# Altium PCB sanziqi.PcbDoc (part 1 of 2)
Units mil, origin at the board's own origin, x right, y up, seen from the top; angles counter-clockwise.
Board outline 5221.3 x 3930 mil, 2 copper layers (Top Layer, Bottom Layer); 136 components, 168 nets, 517 pads, 898 vias.
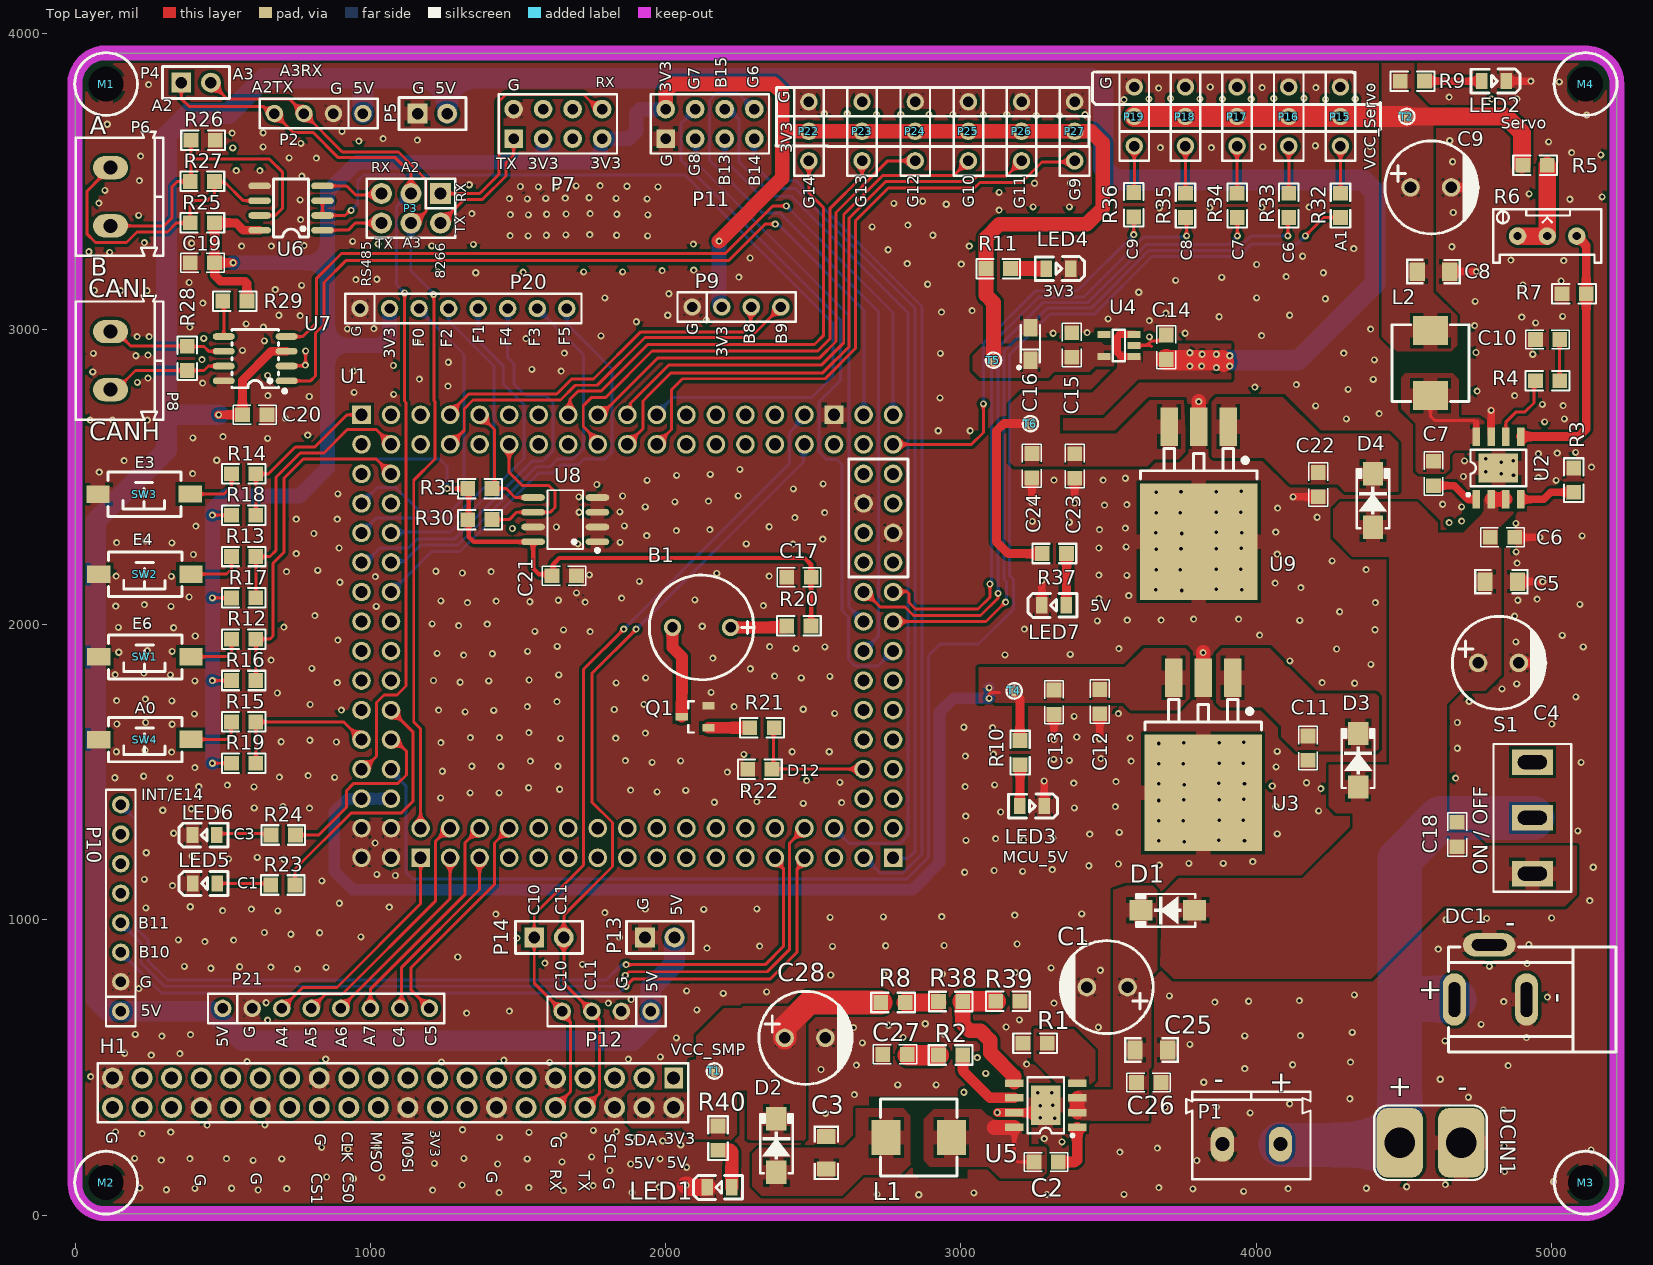
[diagram p0: Top Layer view]
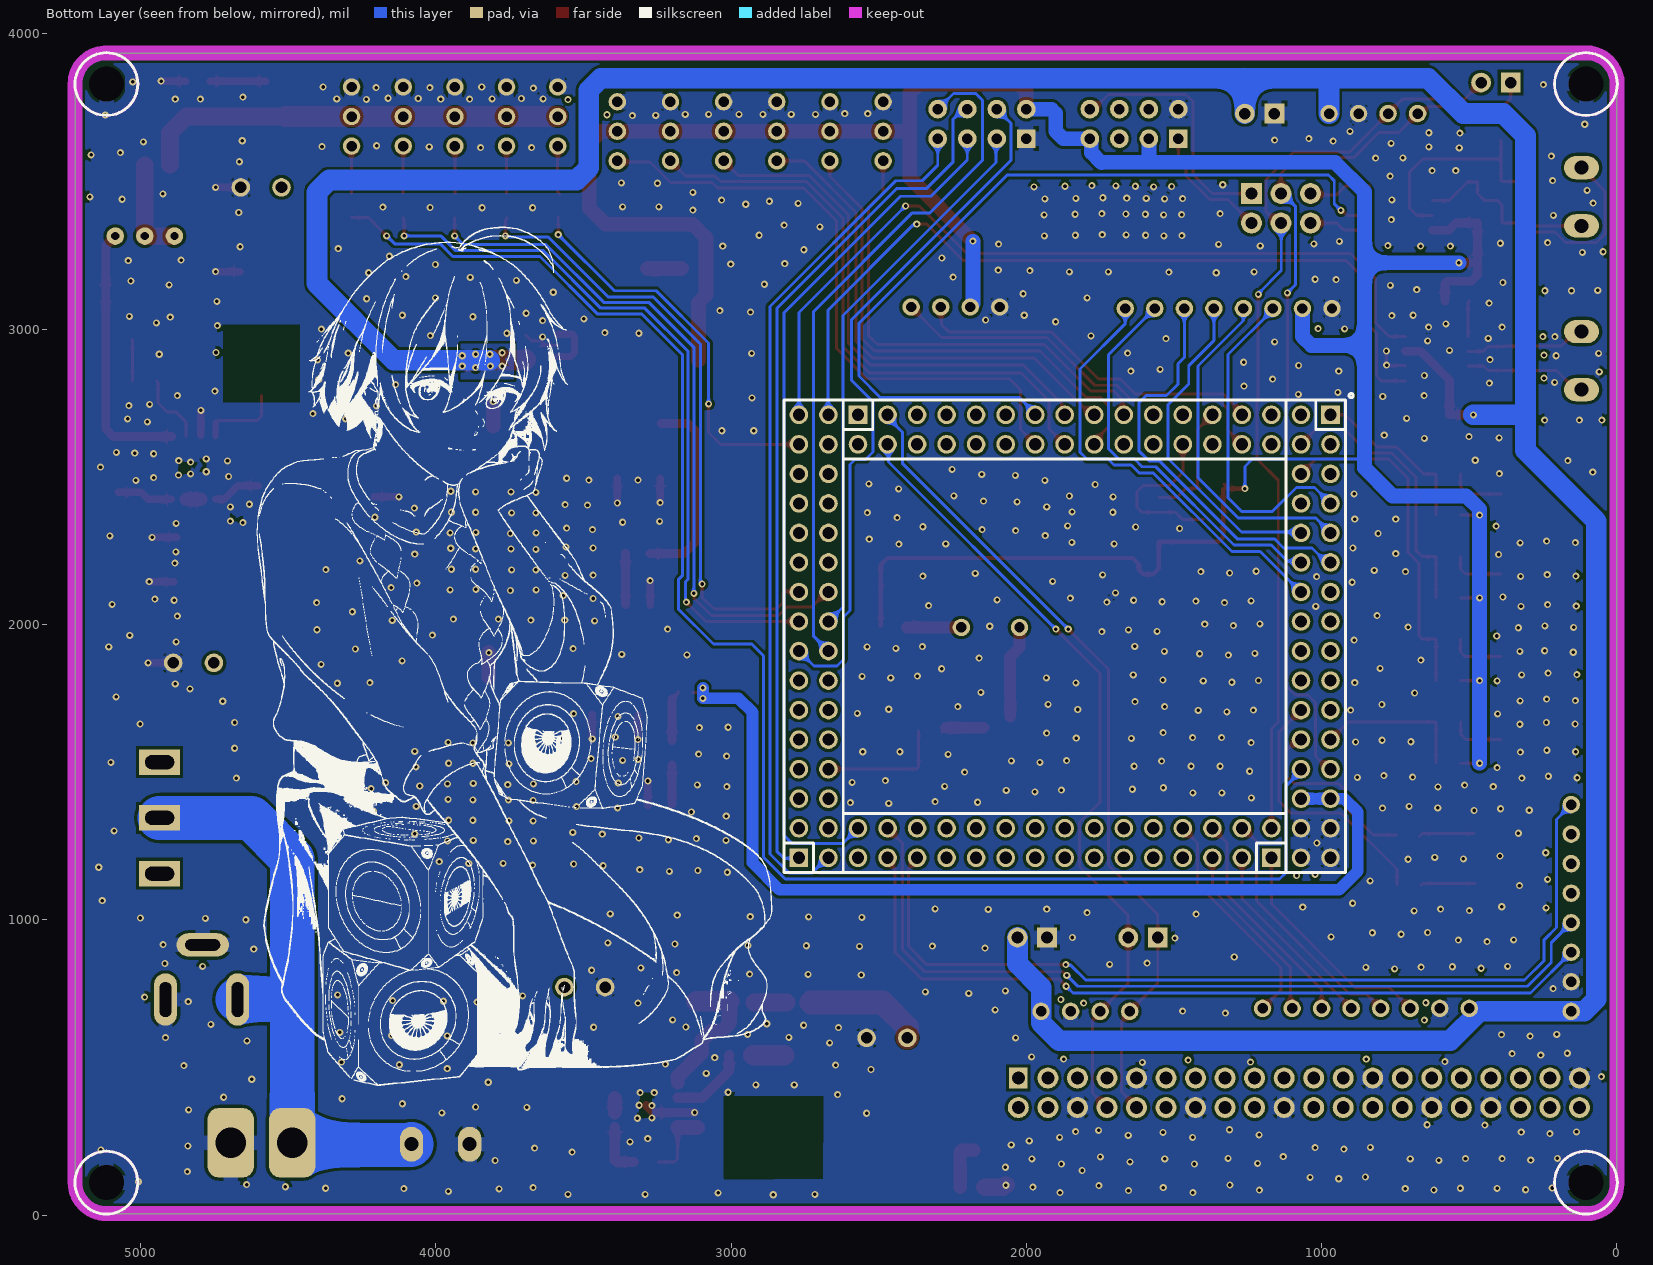
[diagram p1: Bottom Layer view, seen from below]

## Layer stack, top to bottom
Top Solder: solder mask 0.4, Solder Resist, Dk 3.5
Top Layer: signal copper 1.4
Dielectric 1: dielectric 12.6, FR-4, Dk 4.8
Bottom Layer: signal copper 1.4
Bottom Solder: solder mask 0.4, Solder Resist, Dk 3.5

## Board outline
0,105 0,3830 cw(c105,3830) 105,3935 5115,3935 cw(c5115.65,3829.35) 5221.3,3830 5221.3,110 cw(c5115.65,110.65) 5115,5 105,5 cw(c102.5,107.5)

## Design rules (kind name [scope] priority, off if disabled: settings)
Clearance [All] p1: gap=8 ignorepadtopadclearanceinfootprint=TRUE except(0: Arc-Hole Track-Hole SMDPad-Hole THPad-Hole Via-Hole Fill-Hole Poly-Hole Region-Hole Text-Hole; 10: Arc-Fill Arc-Poly Arc-Region Track-Fill Track-Poly Track-Region SMDPad-Fill SMDPad-Poly SMDPad-Region THPad-Fill THPad-Poly THPad-Region Via-Fill Via-Poly Via-Region Fill-Fill Fill-Poly Fill-Region Poly-Poly Poly-Region Region-Region)
HoleSize [All] p1: absolutevalues=TRUE maxlimit=300 minlimit=1 maxpercent=80.000 minpercent=20.000
PlaneConnect [All] p1: planeconnectstyle=Direct reliefexpansion=20 reliefentries=4 reliefconductorwidth=50 reliefairgap=10
PolygonConnect [All] p1: connectstyle=Relief reliefconductorwidth=50 reliefentries=4 polygonreliefangle="90 Angle" airgapwidth=10
RoutingVias [All] p1: holewidth=12 width=24 viastyle="Through Hole" minholewidth=12 minwidth=24 maxholewidth=12 maxwidth=24
SolderMaskExpansion [All] p1: expansion=4 istentingtop=FALSE
Width PWR [InNetClass('PWR')] p1: maxlimit=150 minlimit=25 preferedwidth=30
Width 3V3 [InNetClass('3V3')] p2: maxlimit=120 minlimit=20 preferedwidth=20
Width [All] p3: maxlimit=120 minlimit=10 preferedwidth=10
28 further rules are at their usual default settings.

## Components (designator, comment, footprint, x,y, rotation, side; value= is the part's Value field where it differs from the comment)
B1 "BEEP" "BEEP 9x5.5mm" 2121.57,1990 r180 top
C1 "220uF 25V 铝电解" CAP-TH_BD8.0-P3.50-D0.6-FD 3495.1,772 r180 top value=220uF
C2 "100nF 50V X7R" C0805 3335.7,179.9 r180 top value=100nF
C3 "47uF 10V X5R" CAPC3216[1206]S 2544,211 r270 top value=47uF
C4 "220uF 25V 铝电解" CAP-TH_BD8.0-P3.50-D0.6-FD 4820,1870 r0 top value=220uF
C5 "4.7uF 25V X5R" CAPC3216[1206]S 4830,2145 r180 top value=4.7uF
C6 "100nF 50V X7R" C0805 4881,2295 r180 top value=100nF
C7 "100nF 50V X7R" C0805 4600,2464 r90 top value=100nF
C8 "47uF 10V X5R" CAPC3216[1206]S 4600,3195 r180 top value=47uF
C9 "220uF 25V 铝电解" CAP-TH_BD8.0-P3.50-D0.6-FD 4591.1,3480 r0 top value=220uF
C10 "4.7nF 50V X7R" C0805 4939,2965 r0 top value=4.7nF
C11 "0.22uF" C0805 4175,1534 r90 top
C12 "0.1uF" C0805 3469.9,1691.3 r90 top
C13 "10uF" C0805 3315,1689 r90 top
C14 "100nF 50V X7R" C0805 3694.9,2891.3 r90 top value=100nF
C15 "100nF 50V X7R" C0805 3375,2899 r90 top value=100nF
C16 "T-S 10uF 3216 16V" "CAP-T-S 3216" 3235,2950 r90 top value=10uF
C17 "1uF" C0805 2404,2160 r0 top
C18 "0.1uF" C0805 4680,1336 r270 top
C19 "100nF 50V X7R" C0805 478.7,3224.9 r180 top value=100nF
C20 "100nF 50V X7R" C0805 561,2710 r0 top value=100nF
C21 "100nF 50V X7R" C0805 1703.7,2164.9 r180 top value=100nF
C22 "0.22uF" C0805 4209.9,2426.3 r90 top
C23 "0.1uF" C0805 3385,2489 r90 top
C24 "10uF" C0805 3240,2490 r90 top
C25 "4.7uF 25V X5R" CAPC3216[1206]S 3645,559 r180 top value=4.7uF
C26 "100nF 50V X7R" C0805 3683,449 r180 top value=100nF
C27 "4.7nF 50V X7R" C0805 2729.3,544.04 r0 top value=4.7nF
C28 "220uF 25V 铝电解" CAP-TH_BD8.0-P3.50-D0.6-FD 2472,600 r0 top value=220uF
D1 "SS54" SMA-L[DO-214AC] 3700,1032 r180 top
D2 "SS54" SMA-L[DO-214AC] 2375,235.55 r90 top
D3 "SS54" SMA-L[DO-214AC] 4345,1540 r90 top
D4 "SS54" SMA-L[DO-214AC] 4395,2419.45 r90 top
DC1 "HC-DC-005-2.5M" DC-005 4915,730 r0 top
DCIN1 "T型插头" "Wired T-Header ThroughHole" 4590,245 r90 top
H1 "2.54mm 2*20P直排针" HDR-TH_40P-P2.54-V-M-R2-C20-S2.54 1077,414 r180 top
L1 "4.7uH 5A" "0630 TPC 7*7*3" 2857,263 r180 top value=4.7uH
L2 "4.7uH 5A" "0630 TPC 7*7*3" 4590,2885 r90 top value=4.7uH
LED1 "NCD0805R1" LED0805-R-RD 2182,94 r0 top
LED2 "NCD0805R1" LED0805-R-RD 4805,3840 r180 top
LED3 "NCD0805R1" LED0805-R-RD 3240,1385 r180 top
LED4 "NCD0805R1" LED0805-R-RD 3330,3205 r180 top
LED5 "NCD0805R1" LED0805-R-RD 440,1123 r0 top
LED6 "NCD0805R1" LED0805-R-RD 439,1287 r0 top
LED7 "NCD0805R1" LED0805-R-RD 3315,2065 r0 top
M1 "MountHole" M3-MountHole 105,3830 r0 top
M2 "MountHole" M3-MountHole 105,110 r0 top
M3 "MountHole" M3-MountHole 5115,110 r0 top
M4 "MountHole" M3-MountHole 5115,3830 r0 top
P1 "KF/WJ/DG 30x connecter" "KF/WJ/DG 301-2p-5.0mm" 3983.43,240 r0 top
P2 "Header-D-M 1x4P" HDR1X4-M 975,3730 r180 top
P3 "Header-D-M 2x3P" "2.54mm 2*3p 直插" 1140,3410 r180 top
P4 "PM254-1-02-Z-8.5" HDR-TH_2P-P2.54-V-F 410,3835 r0 top
P5 "PM254-1-02-Z-8.5" HDR-TH_2P-P2.54-V-F 1210,3730 r0 top
P6 "KF/WJ/DG 30x connecter" "KF/WJ/DG 301-2p-5.0mm" 120,3448.43 r270 top
P7 "Header-S-F 2x4P" HDR2.54-LI-2x4P 1635,3695 r0 top
P8 "KF/WJ/DG 30x connecter" "KF/WJ/DG 301-2p-5.0mm" 120,2893.43 r270 top
P9 "Header-D-M 1x4P" HDR1X4-M 2090,3075 r0 top
P10 "Header-D-M 1x8P" HDR1X8-M 155,690 r90 top
P11 "Header-S-F 2x4P" HDR2.54-LI-2x4P 2150,3695 r0 top
P12 "Header-D-M 1x4P" HDR1X4-M 1950,690 r180 top
P13 "PM254-1-02-Z-8.5" HDR-TH_2P-P2.54-V-F 1980,940 r0 top
P14 "PM254-1-02-Z-8.5" HDR-TH_2P-P2.54-V-F 1605,940 r0 top
P15 "Header-D-M 1x3P" HDR1X3-M 4285,3620 r90 top
P16 "Header-D-M 1x3P" HDR1X3-M 4110,3620 r90 top
P17 "Header-D-M 1x3P" HDR1X3-M 3935,3620 r90 top
P18 "Header-D-M 1x3P" HDR1X3-M 3760,3620 r90 top
P19 "Header-D-M 1x3P" HDR1X3-M 3586.81,3620 r90 top
P20 "Header-D-M 1x8P" HDR1X8-M 965,3070 r0 top
P21 "Header-D-M 1x8P" HDR1X8-M 500,700 r0 top
P22 "Header-D-M 1x3P" HDR1X3-M 2485,3570 r90 top
P23 "Header-D-M 1x3P" HDR1X3-M 2665,3570 r90 top
P24 "Header-D-M 1x3P" HDR1X3-M 2845,3570 r90 top
P25 "Header-D-M 1x3P" HDR1X3-M 3025,3570 r90 top
P26 "Header-D-M 1x3P" HDR1X3-M 3205,3570 r90 top
P27 "Header-D-M 1x3P" HDR1X3-M 3385,3570 r90 top
Q1 "S8050" SOT-23 2099.72,1687.4 r180 top
R1 "200K ±1%" R0805 3210,582 r0 top value=200K
R2 "20K ±1%" R0805 3006,542 r180 top value=20K
R3 "200K ±1%" R0805 5075,2530 r270 top value=200K
R4 "20K ±1%" R0805 4945,2825 r0 top value=20K
R5 "27K ±1%" R0805 4985,3555 r180 top value=27K
R6 "50K" RESPOT3296W 4985,3315 r0 top
R7 "8.2K ±1%" R0805 5035,3120 r0 top value=8.2K
R8 "51K ±1%" R0805 2811,720 r180 top value=51K
R9 "10K ±1%" R0805 4570,3840 r180 top value=10K
R10 "10K ±1%" R0805 3200,1525 r90 top value=10K
R11 "4.7K ±1%" R0805 3167.3,3205.2 r180 top value=4.7K
R12 "100R ±1%" R0805 612.3,1950.2 r180 top value=100R
R13 "100R ±1%" R0805 612.3,2230 r180 top value=100R
R14 "100R ±1%" R0805 612.3,2510.2 r180 top value=100R
R15 "100R ±1%" R0805 612.3,1670 r180 top value=100R
R16 "10K ±1%" R0805 612.3,1810.2 r180 top value=10K
R17 "10K ±1%" R0805 612.3,2090.2 r180 top value=10K
R18 "10K ±1%" R0805 612.3,2370 r180 top value=10K
R19 "10K ±1%" R0805 612.3,1530.2 r180 top value=10K
R20 "10R ±1%" R0805 2492.3,1995.2 r180 top value=10R
R21 "4.7K ±1%" R0805 2367.3,1650.2 r180 top value=4.7K
R22 "10K ±1%" R0805 2360,1510 r180 top value=10K
R23 "4.7K ±1%" R0805 662.7,1117.8 r0 top value=4.7K
R24 "4.7K ±1%" R0805 664,1287 r0 top value=4.7K
R25 "360R ±1%" R0805 472.3,3360.2 r180 top value=360R
R26 "360R ±1%" R0805 392.7,3639.8 r0 top value=360R
R27 "120R ±1%" R0805 472.3,3500.2 r180 top value=120R
R28 "120R ±1%" R0805 379.8,2942.3 r270 top value=120R
R29 "510R ±1%" R0805 500,3095 r0 top value=510R
R30 "4.7K ±1%" R0805 1412.3,2355.2 r180 top value=4.7K
R31 "4.7K ±1%" R0805 1412.3,2460.2 r180 top value=4.7K
R32 "100R ±1%" R0805 4285.2,3377.7 r90 top value=100R
R33 "100R ±1%" R0805 4110.2,3377.7 r90 top value=100R
R34 "100R ±1%" R0805 3935.2,3377.7 r90 top value=100R
R35 "100R ±1%" R0805 3760.2,3377.7 r90 top value=100R
R36 "100R ±1%" R0805 3585,3380 r90 top value=100R
R37 "10K ±1%" R0805 3357.3,2240.2 r180 top value=10K
R38 "1.5K ±1%" R0805 3006.3,723.2 r180 top value=1.5K
R39 "10K ±1%" R0805 3200,724 r180 top value=10K
R40 "10K ±1%" R0805 2177.2,219.7 r90 top value=10K
S1 "SW-SPDT" SS12D10 4935,1345 r270 top
SW1 "SW-PB_V" "TSW SMD-3*6*2.5" 235,1890 r180 top
SW2 "SW-PB_V" "TSW SMD-3*6*2.5" 235,2170 r180 top
SW3 "SW-PB_V" "TSW SMD-3*6*2.5" 233,2441 r180 top
SW4 "SW-PB_V" "TSW SMD-3*6*2.5" 235,1610 r180 top
T1 "Testpoint-Pad" testpoint-pad-1mm 2165,488 r90 top
T2 "Testpoint-Pad" testpoint-pad-1mm 4510,3720 r270 top
T4 "Testpoint-Pad" testpoint-pad-1mm 3180,1775 r90 top
T5 "Testpoint-Pad" testpoint-pad-1mm 3110,2895 r90 top
T6 "Testpoint-Pad" testpoint-pad-1mm 3235,2680 r90 top
U1 "stm32f103zet6核心板" stm32f103zet6核心板 895,1135 r0 top locked
U2 "SCT2450STER" SOP-8E 4820,2530 r90 top
U3 "LM7805S/TR" TO-263-3_L8.6-W10.2-P2.54-LS14.4-BR 3820,1624.96 r90 top
U4 "RT9013-33" SOT-23-5 3535,2945 r180 top
U5 "SCT2450STER" SOP-8E 3287,372 r180 top
U6 "TP8485E-SR" SOIC-8_L5.0-W4.0-P1.27-LS6.0-BL 731.5,3410 r90 top
U7 "SIT1050T" SO-8_L4.9-W3.9-P1.27-LS5.9-BL 610,2900 r90 top
U8 "AT24C02" SOP-8_L5.0-W4.0-P1.27-LS6.0-BL 1660,2355 r90 top
U9 "LM7805S/TR" TO-263-3_L8.6-W10.2-P2.54-LS14.4-BR 3805,2474.96 r90 top

## Footprints (in the part's own frame and the unit in brackets; to place one, negate y for a bottom-side part, rotate by r counter-clockwise, add the part's x,y. Pads: shape width x height; smd on the part's side, far side on the other; paste and mask are expansions set on the pad)
"2.54mm 2*3p 直插" [mm]
  rect 1.8x1.8 hole 1.05 paste+0 mask+0.051: 1(-2.48,-1.25)
  round 1.8 hole 1.05 paste+0 mask+0.051: 2(-2.48,1.29) 3(0.06,-1.25) 4(0.06,1.29) 5(2.6,-1.25) 6(2.6,1.29)
  silkscreen extent -3.75,-2.52 3.87,2.56
"0630 TPC 7*7*3" [mm]
  rect 2.5x3 smd: 1(-2.8,0) 2(2.8,0)
  silkscreen extent -3.3,-3.3 3.3,3.3, body extent -3.3,-3.3 3.3,3.3, height 3
"BEEP 9x5.5mm" [mm]
  round 1.5 hole 0.9: 1(-2.5,0) 2(2.5,0)
  silkscreen extent -4.5,-4.5 4.5,4.5, body extent -4.8,-4.8 4.8,4.8, height 5.05
C0805 [mil]
  rect 50x50 smd: 1(6,0) 2(88.7,-0.1)
  silkscreen extent -26,-32 121,32, body extent 8,-24 87,25, height 30
"CAP-T-S 3216" [mm]
  rect 1.5x1.2 smd: 1(-1.4,0) 2(1.4,0)
  silkscreen extent -2.15,-0.9 1.6,1.1, body extent -1.6,-0.8 1.6,0.8, height 1.6
CAP-TH_BD8.0-P3.50-D0.6-FD [mm]
  round 1.6 hole 1: 1(-1.75,0) 2(1.75,0)
  silkscreen extent -3.96,-4 4.04,4
CAPC3216[1206]S [mm]
  rect 1.3x1.6 smd: 1(-1.4,0) 2(1.4,0)
  silkscreen extent -2.35,-1.11 2.35,1.11, body extent -1.6,-0.81 1.6,0.81, height 1.21
DC-005 [mm] "DC母座5.5mm"
  oval 2x4.5 hole 1 slot 3 at 90 deg: 1(-6.2,0) 2(0,0)
  oval 4.5x2 hole 1 slot 3 at 0 deg: 3(-3.2,4.7)
  silkscreen extent -6.7,-4.5 7.7,4.5, body extent -6.55,-4.5 7.5,4.8, height 11.25
HDR1X3-M [mm]
  round 1.5 hole 0.9: 1(0,0) 2(2.54,0) 3(5.08,0)
  silkscreen extent -1.27,-1.27 6.35,1.27, body extent -1.27,-1.27 6.35,1.27, height 8.54
HDR1X4-M [mm]
  round 1.5 hole 0.9: 1(0,0) 2(2.54,0) 3(5.08,0) 4(7.62,0)
  silkscreen extent -1.27,-1.27 8.89,1.27, body extent -1.27,-1.27 8.89,1.27, height 8.54
HDR1X8-M [mm]
  round 1.5 hole 0.9: 1(0,0) 2(2.54,0) 3(5.08,0) 4(7.62,0) 5(10.16,0) 6(12.7,0) 7(15.24,0) 8(17.78,0)
  silkscreen extent -1.27,-1.27 19.05,1.27, body extent -1.27,-1.27 19.05,1.27, height 8.54
HDR2.54-LI-2x4P [mm] "双排排针，4x2脚"
  rect 1.6x1.6 hole 0.9: 1(-3.81,-1.27)
  round 1.6 hole 0.9: 2(-3.81,1.27) 3(-1.27,-1.27) 4(-1.27,1.27) 5(1.27,-1.27) 6(1.27,1.27) 7(3.81,-1.27) 8(3.81,1.27)
  silkscreen extent -5.08,-2.54 5.08,2.54, body extent -5.08,-2.54 5.08,2.54, height 8.5
HDR-TH_2P-P2.54-V-F [mm]
  rect 1.7x1.7 hole 1: 1(-1.27,0)
  round 1.7 hole 1: 2(1.27,0)
  silkscreen extent -2.88,-1.39 2.88,1.4
HDR-TH_40P-P2.54-V-M-R2-C20-S2.54 [mm]
  rect 1.575x1.8 hole 1.1: 1(-24.13,-1.27)
  round 1.8 hole 1.1: 2(-24.13,1.27) 3(-21.59,-1.27) 4(-21.59,1.27) 5(-19.05,-1.27) 6(-19.05,1.27) 7(-16.51,-1.27) 8(-16.51,1.27) 9(-13.97,-1.27) 10(-13.97,1.27) 11(-11.43,-1.27) 12(-11.43,1.27) 13(-8.89,-1.27) 14(-8.89,1.27) 15(-6.35,-1.27) 16(-6.35,1.27) 17(-3.81,-1.27) 18(-3.81,1.27) 19(-1.27,-1.27) 20(-1.27,1.27) 21(1.27,-1.27) 22(1.27,1.27) 23(3.81,-1.27) 24(3.81,1.27) 25(6.35,-1.27) 26(6.35,1.27) 27(8.89,-1.27) 28(8.89,1.27) 29(11.43,-1.27) 30(11.43,1.27) 31(13.97,-1.27) 32(13.97,1.27) 33(16.51,-1.27) 34(16.51,1.27) 35(19.05,-1.27) 36(19.05,1.27) 37(21.59,-1.27) 38(21.59,1.27) 39(24.13,-1.27) 40(24.13,1.27)
  silkscreen extent -25.4,-2.54 25.4,2.54
"KF/WJ/DG 301-2p-5.0mm" [mm]
  oval 2x3 hole 1.2: 1(2.5,0) 2(-2.5,0)
  silkscreen extent -5.6,-3 5.08,4.52, body extent -5.6,-3 5,4.6, height 10
LED0805-R-RD [mm]
  rect 1x1.4 smd: 1(1.05,0) 2(-1.05,0)
  silkscreen extent -2.22,-1.04 1.99,1.01
M3-MountHole [mm]
  rect 0x0 hole 3 unplated: 1(0,0)
  Keep-Out Layer circle w0.254: c0,0 r2.7
  silkscreen extent -2.7,-2.7 2.7,2.7
R0805 [mil]
  rect 50x50 smd: 1(0,0) 2(82.3,0.2)
  silkscreen extent -33,-33 115,33, body extent 1,-24 80,25, height 22
RESPOT3296W [mm]
  round 1.5 hole 0.7: 1(-2.54,0) 2(2.54,0) ADJ(0,0)
  silkscreen extent -4.65,-2.3 4.65,2.3, body extent -4.75,-2.4 4.75,2.4, height 3.1
SMA-L[DO-214AC] [mm]
  rect 2x1.75 smd: A(-2.3,0) K(2.3,0)
  silkscreen extent -2.37,-1.4 2.7,1.4, body extent -2.9,-1.46 2.91,1.46, height 2.3
SO-8_L4.9-W3.9-P1.27-LS5.9-BL [mil]
  oval 22.6x74.33 smd: 1(-75,-106.26) 2(-25,-106.26) 3(25,-106.26) 4(75,-106.26) 5(75,106.26) 6(25,106.26) 7(-25,106.26) 8(-75,106.26)
  silkscreen extent -116,-106 98,79
SOIC-8_L5.0-W4.0-P1.27-LS6.0-BL [mil]
  oval 22.38x76.78 smd: 1(-75,-106.5) 2(-25,-106.5) 3(25,-106.5) 4(75,-106.5) 5(75,106.5) 6(25,106.5) 7(-25,106.5) 8(-75,106.5)
  silkscreen extent -98,-59 98,59
SOP-8_L5.0-W4.0-P1.27-LS6.0-BL [mil]
  oval 22.6x80.14 smd: 1(-75,-108.97) 2(-25,-108.97) 3(25,-108.97) 4(75,-108.97) 5(75,108.97) 6(25,108.97) 7(-25,108.97) 8(-75,108.97)
  silkscreen extent -110,-115 99,60
SOP-8E [mm]
  rect 2.5x3.4 smd: 0(0,0)
  rect 1.6x0.65 smd: 1(-2.7,1.905) 2(-2.7,0.635) 3(-2.7,-0.635) 4(-2.7,-1.905) 5(2.7,-1.905) 6(2.7,-0.635) 7(2.7,0.635) 8(2.7,1.905)
  silkscreen extent -2.42,-2.4 1.58,2.72, body extent -3.11,-2.45 3.11,2.45, height 1.75
SOT-23 [mm]
  rect 1.05x0.65 smd: 1(-1.15,0.95) 2(-1.15,-0.95) 3(1.15,0)
  silkscreen extent 0.13,-1.35 0.58,1.35, body extent -1.4,-1.45 1.4,1.45, height 1.2
SOT-23-5 [mm]
  rect 1.1x0.6 smd: 1(-1.3,0.95) 2(-1.3,0) 3(-1.3,-0.95) 4(1.3,-0.95) 5(1.3,0.95)
  silkscreen extent -0.53,-1.35 0.53,1.35, body extent -1.42,-1.46 1.42,1.46, height 1.08
SS12D10 [mm]
  rect 2.2x3.5 hole 2.5 slot 1.2 at 0 deg mask+0.07: 1(-4.8,0) 2(0,0) 3(4.8,0)
  silkscreen extent -6.35,-3.35 6.35,3.35, body extent -6.4,-3.3 6.35,3.8, height 12.5
stm32f103zet6核心板 [mm]
  rect 1.6x1.6 hole 1.05: 1(1.905,40.005) 33(6.985,1.905) 63(47.625,1.905) 95(42.545,40.005)
  round 1.6 hole 1.05: 2(4.445,40.005) 3(1.905,37.465) 4(4.445,37.465) 5(1.905,34.925) 6(4.445,34.925) 7(1.905,32.385) 8(4.445,32.385) 9(1.905,29.845) 10(4.445,29.845) 11(1.905,27.305) 12(4.445,27.305) 13(1.905,24.765) 14(4.445,24.765) 15(1.905,22.225) 16(4.445,22.225) 17(1.905,19.685) 18(4.445,19.685) 19(1.905,17.145) 20(4.445,17.145) 21(1.905,14.605) 22(4.445,14.605) 23(1.905,12.065) 24(4.445,12.065) 25(1.905,9.525) 26(4.445,9.525) 27(1.905,6.985) 28(4.445,6.985) 29(1.905,4.445) 30(4.445,4.445) 31(1.905,1.905) 32(4.445,1.905) 34(6.985,4.445) 35(9.525,1.905) 36(9.525,4.445) 37(12.065,1.905) 38(12.065,4.445) 39(14.605,1.905) 40(14.605,4.445) 41(17.145,1.905) 42(17.145,4.445) 43(19.685,1.905) 44(19.685,4.445) 45(22.225,1.905) 46(22.225,4.445) 47(24.765,1.905) 48(24.765,4.445) 49(27.305,1.905) 50(27.305,4.445) 51(29.845,1.905) 52(29.845,4.445) 53(32.385,1.905) 54(32.385,4.445) 55(34.925,1.905) 56(34.925,4.445) 57(37.465,1.905) 58(37.465,4.445) 59(40.005,1.905) 60(40.005,4.445) 61(42.545,1.905) 62(42.545,4.445) 64(45.085,1.905) 65(47.625,4.445) 66(45.085,4.445) 67(47.625,6.985) 68(45.085,6.985) 69(47.625,9.525) 70(45.085,9.525) 71(47.625,12.065) 72(45.085,12.065) 73(47.625,14.605) 74(45.085,14.605) 75(47.625,17.145) 76(45.085,17.145) 77(47.625,19.685) 78(45.085,19.685) 79(47.625,22.225) 80(45.085,22.225) 81(47.625,24.765) 82(45.085,24.765) 83(47.625,27.305) 84(45.085,27.305) 85(47.625,29.845) 86(45.085,29.845) 87(47.625,32.385) 88(45.085,32.385) 89(47.625,34.925) 90(45.085,34.925) 91(47.625,37.465) 92(45.085,37.465) 93(47.625,40.005) 94(45.085,40.005) 96(42.545,37.465) 97(40.005,40.005) 98(40.005,37.465) 99(37.465,40.005) 100(37.465,37.465) 101(34.925,40.005) 102(34.925,37.465) 103(32.385,40.005) 104(32.385,37.465) 105(29.845,40.005) 106(29.845,37.465) 107(27.305,40.005) 108(27.305,37.465) 109(24.765,40.005) 110(24.765,37.465) 111(22.225,40.005) 112(22.225,37.465) 113(19.685,40.005) 114(19.685,37.465) 115(17.145,40.005) 116(17.145,37.465) 117(14.605,40.005) 118(14.605,37.465) 119(12.065,40.005) 120(12.065,37.465) 121(9.525,40.005) 122(9.525,37.465) 123(6.985,40.005) 124(6.985,37.465)
  silkscreen extent 43.81,26.04 48.89,36.2
testpoint-pad-1mm [mm]
  round 1 smd: 1(0,0)
  silkscreen extent -0.66,-0.66 0.66,0.66
TO-263-3_L8.6-W10.2-P2.54-LS14.4-BR [mm]
  rect 3.3x1.511 smd: 1(4.952,-2.54) 2(4.952,0) 3(4.952,2.54)
  rect 10.02x10.122 smd: 4(-4.952,0)
  silkscreen extent 0.46,-5 3.06,5
"TSW SMD-3*6*2.5" [mm] "3*6*2.5mm"
  rect 2x1.5 smd: 1(-3.996,-0.02) 2(3.937,0)
  silkscreen extent -3.21,-1.9 3.09,1.9, body extent -4,-1.88 4,1.62, height 2.59
"Wired T-Header ThroughHole" [mm]
  rrect50% 6x4 hole 2.6: 1(0,2.65) 2(0,-2.65)
  silkscreen extent -3.2,-4.85 3.2,4.85

## Part data
B1: "蜂鸣器"
C1 C4 C9 C28: library part "E-S 220uF 25V", "直插电解电容 220uF 25v", Voltage=25V, Revision=V1.0, Type=铝电解
C2 C6 C7 C10 C14 C15 C19 C20 C21 C26 C27: "贴片瓷片电容; MLCC;", Voltage=50V, Revision=V1.0, Type=X7R
C3 C8: library part "47uF 1206 10V X5R", "贴片瓷片电容; MLCC; 1206(3216);", Voltage=10V, Revision=V1.0, Type=X5R
C5 C25: library part "4.7uF 1206 25V X5R", "贴片瓷片电容; MLCC; 1206(3216);", Voltage=25V, Revision=V1.0, Type=X5R
C11 C22: library part "0.22uF 0805", "贴片电容0805", Revision=V1.0
C12 C18 C23: library part "0.1uF 0805", "贴片电容0805", Revision=V1.0
C13 C24: library part "10uF 0805", "贴片电容0805", Revision=V1.0
C16: "贴片钽电容 10uF 3216 16V", Voltage=16V, Revision="July-2002: Re-released for DXP Platform.", Type=TanCap
C17: library part "1uF 0805", "贴片电容0805", Revision=V1.0
D1 D2 D3 D4: "SS54 肖特基二极管", Revision=V1.0
DC1: JLCPCB Part Class=ExtendedPart, Manufacturer=HCTL(华灿天禄), 3DModel=DC-IN-TH_KH-DC-005-2.5, Add into BOM=yes, Convert to PCB=yes, Device=HC-DC-005-2.5M, link=https://atta.szlcsc.com/upload/public/pdf/source/20210716/C2847170_7F0110A0BEDEE81C68B76DF87AC8DA16.pdf, Manufacturer Part=HC-DC-005-2.5M, Name=HC-DC-005-2.5M, Origin Footprint=DC-IN-TH_KH-DC-005-2.5, Supplier=LCSC, Supplier Part=C3010535, Symbol=HC-DC-005-2.5M
DCIN1: library part T_Header
H1: Color=黑色, Current Rating (Max)=3A, JLCPCB Part Class="Extended Part", LCSC Part Name="间距:2.54mm 2x20P 直插 方针", Manufacturer=BOOMELE(博穆精密), Operating Temperature Range=-40℃~+105℃, Voltage Rating (Max)=-, Add into BOM=yes, Circluar Pins/Square Pins=方针, Contact Material=黄铜, Contact Plating=-, Convert to PCB=yes, Datasheet=https://atta.szlcsc.com/upload/public/pdf/source/20151109/1457707572823.pdf, Device="2.54mm 2*20P直排针", Insulation Height=-, Length of End Connection Pin=3mm, Length of Mating Pin=6mm, Manufacturer Part="2.54mm 2*20P直排针", Mounting Type=直插, Number of Pins=40P, Number of Rows=双排, Pin Structure=2x20P, Pitch=2.54mm, Row Spacing=2.54mm, Supplier=LCSC, Supplier Footprint=插件,P=2.54mm, Supplier Part=C50980, Symbol=Header-Male-2.54_2x20
L1 L2: library part Ind-Power, "功率电感", DCR=.5m, Imax=5A, Price(RMB)=0.000, Published=8-Jun-2000, Publisher="Altium Limited", Revision="July-2002: Re-released for DXP Platform."
LED1 LED2 LED3 LED4 LED5 LED6 LED7: library part LED, Color Temperature=-, Emitted Color=红色, Forward Current=20mA, Forward Voltage (VF)=1.6V~2.6V, JLCPCB Part Class="Basic Part", Lens Color=无色透明, Manufacturer=国星光电, Operating Temperature=-30℃~+85℃, Power Dissipation=65mW, Add into BOM=yes, Convert to PCB=yes, Datasheet=https://atta.szlcsc.com/upload/public/pdf/source/20200820/C84256_F0A75A43B3EAD75808600A0514C76B99.pdf, Device=NCD0805R1, Diode Configuration=独立二极管, Dominant Wavelength=615nm~630nm, Lamp Holder Type=-, LCSC Part Name=NCD0805R1, Luminous Intensity=67mcd~195mcd, Manufacturer Part=NCD0805R1, Mounting Sytle=-, Peak Wavelength=-, Supplier=LCSC, Supplier Footprint=0805, Supplier Part=C84256, Symbol=FC-2012HRK-620D, Viewing Angle=130°
M1 M2 M3 M4: "固定孔"
P1 P6 P8: library part "KF/WJ/DG 30x", "接线端子 2Pin"
P2 P9 P12: "1x4pin, 直插, 排针", Revision=V1.0
P3: library part "Header-S-M 2x3P", "2x3pin, 贴片, 双排针", Revision=V1.0
P4 P5 P13 P14: Current Rating (Max)=3A, JLCPCB Part Class="Extended Part", LCSC Part Name="2.54mm 1x2P", Manufacturer=HCTL(华灿天禄), Operating Temperature Range=-40℃~+105℃, Voltage Rating (Max)=-, Add into BOM=yes, Circular Hole / Square Hole=方孔, Convert to PCB=yes, Datasheet=https://atta.szlcsc.com/upload/public/pdf/source/20230609/534BE42964C679BDE98E061007C4ABD6.pdf, Device=PM254-1-02-Z-8.5, Holes Direction=顶部, Holes Structure=1x2P, Insulation Height=8.5mm, Manufacturer Part=PM254-1-02-Z-8.5, Mounting Type=直插, Name=PM254-1-02-Z-8.5, Number of Holes=2P, Number of Rows=单排, Pitch=2.54mm, Row Spacing=-, Supplier=LCSC, Supplier Footprint=插件,P=2.54mm, Supplier Part=C2897365, Symbol=PM254-1-02-Z-8.5
P7 P11: "2x4pin, 贴片, 双排座", Revision=V1.0
P10 P20 P21: "1x8pin, 直插, 排针", Revision=V1.0
P15 P16 P17 P18 P19 P22 P23 P24 P25 P26 P27: "1x3pin, 直插, 排针", Revision=V1.0
Q1: library part "NPN S8050", "Discrete NPN Bipolar Transistor", PartNumber=S8050, Price(RMB)=0.000, Published=8-Jun-2000, Publisher="Altium Limited", Revision="July-2002: Re-released for DXP Platform."
R1 R3: library part Res-Chip_200K, "贴片电阻", Power=1/8W, Tolerance=±1%, Revision=V1.0
R2 R4 R25 R26 R27 R28 R29 R30 R31: library part Res-Chip_20K, "贴片电阻", Power=1/8W, Tolerance=±1%, Revision=V1.0
R5 R8 R38: library part Res-Chip_27K, "贴片电阻", Power=1/8W, Tolerance=±1%, Revision=V1.0
R6: library part Res-Adj-3p, "可调电阻"
R7 R39: library part Res-Chip_8.2K, "贴片电阻", Power=1/8W, Tolerance=±1%, Revision=V1.0
R9 R10 R12 R13 R14 R15 R16 R17 R18 R19 R22 R37 R40: library part Res-Chip-10K, "贴片电阻", Power=1/8W, Tolerance=±1%, Revision=V1.0
R11 R21 R23 R24: library part Res-Chip-4.7K, "贴片电阻", Power=1/8W, Tolerance=±1%, Revision=V1.0
R20: library part Res-Chip-10R, "贴片电阻", Power=1/8W, Tolerance=±1%, Revision=V1.0
R32 R33 R34 R35 R36: library part Res-Chip-100R, "贴片电阻", Power=1/8W, Tolerance=±1%, Revision=V1.0
S1: "单刀双掷开关 3脚船型、钮子、拨动开关 SPDT Subminiature Toggle Switch", Price(RMB)=0.000, Published=24-Mar-1999, Publisher="Altium Limited"
SW1 SW2 SW3 SW4: "SWITCH"
T1 T2 T4 T5 T6: library part Testpoint-Pad-S, "测试点，就是个焊盘"
U2 U5: library part SCT2450, "3.8V-36V Vin, 5A, High Efficiency Synchronous Step-down DCDC Converter / with Programmable Frequency"
U3 U9: JLCPCB Part Class="Extended Part", LCSC Part Name=固定电压稳压器, Manufacturer=HGSEMI(华冠), Add into BOM=yes, Convert to PCB=yes, Datasheet=https://atta.szlcsc.com/upload/public/pdf/source/20211101/54C90BF39C07253AC431AF453924CB99.pdf, Device=LM7805S/TR, Manufacturer Part=LM7805S/TR, Output Type=-, Supplier=LCSC, Supplier Footprint=TO-263-3, Supplier Part=C507146, Symbol=LM7805S/TR
U4: "3.3V 500mA SOT-23-5 LDO"
U6: JLCPCB Part Class="Extended Part", LCSC Part Name="±18K ESD保护，全故障安全RS-485收发器", Manufacturer=3PEAK(思瑞浦), Operating Temperature=-40℃~+125℃, Supply Voltage=3V~5.5V, Add into BOM=yes, Convert to PCB=yes, Data Rate=250Kbps, Datasheet=https://atta.szlcsc.com/upload/public/pdf/source/20170120/1484891310884.pdf, Device=TP8485E-SR, ESD Protect=±18kV, Manufacturer Part=TP8485E-SR, Node Number=256, Number of Driver=1, Number of receiver=1, Supplier=LCSC, Supplier Footprint=SOIC-8, Supplier Part=C94206, Symbol=TP8485E-SR, Types=收发器
U7: JLCPCB Part Class="Extended Part", LCSC Part Name="SIT1050 5V供电，±40V接口耐压，1Mbps高速CAN总线收发器", Manufacturer=SIT(芯力特), Operating Temperature=-40℃~+125℃, Supply Current=70mA, Supply Voltage=4.5V~5.5V, Add into BOM=yes, Convert to PCB=yes, Data Rate=1Mbps, Datasheet=https://atta.szlcsc.com/upload/public/pdf/source/20190522/C313021_F295A63AE262020D1D58DBA99C3629E3.pdf, Device=SIT1050T, Manufacturer Part=SIT1050T, Supplier=LCSC, Supplier Footprint=SO-8, Supplier Part=C313021, Symbol=SIT1050T, Type=CAN收发器
U8: library part AT24C02_C688857, JLCPCB Part Class="Extended Part", LCSC Part Name="24C02 2Kbit电可擦除PROM", Manufacturer=IDCHIP(英锐芯), Add into BOM=yes, Convert to PCB=yes, Datasheet=https://atta.szlcsc.com/upload/public/pdf/source/20200619/C688857_168265888F77B455D6D4136881F4BB15.pdf, Device=AT24C02_C688857, Manufacturer Part=AT24C02, Supplier=LCSC, Supplier Footprint=SOP-8, Supplier Part=C688857, Symbol=AT24C02

## Via types
v1: diameter 24, hole 12, Top Layer to Bottom Layer, tented both sides, 837 vias
v2: diameter 24, hole 12, Top Layer to Bottom Layer, 61 vias

## Nets (pads, with @x,y where several pads share a name; then routed paths per layer and width w, separated by ;. In a path a pad name is that pad's centre, name@x,y a point inside that pad or via, vN(x,y) a via of type N, cw(c..) or ccw(c..) an arc to the next point about the centre after c; other vN are vias at no path point)
3V3: C15.1 C16.1 C17.2 C19.1 C21.2 P7.3 P7.7 P9.2 P11.2 P20.2 P22.2 P23.2 P24.2 P25.2 P26.2 P27.2 R11.2 R16.2 R17.2 R18.2 R19.2 R20.1 R25.1 R29.2 R30.2 R31.2 T5.1 U4.5 U6.8 U8.8 | length 10831.3
  Top Layer w10: v1(465,2370) 529.8,2370 R18.2@530,2369.8 ; v1(465.1,1530.1) R19.2@529.9,1530.1 ; v1(465.1,1810.1) R16.2@529.9,1810.1 ; v1(465.1,2090.1) R17.2@529.9,2090.1 ; R31.2@1315,2460 R31.2@1330,2475
  Top Layer w15: v1(1260,2460) R31.2@1315,2460 ; R31.2@1330,2460 1332.7,2457.3 1332.7,2297.3 1350,2280 U8.8@1551.03,2280 1551.03,2190 1571.03,2170 1604.14,2170 1619.14,2185 1619.14,2204.14 1640,2225 2470,2225 2492.7,2202.3 C17.2@2492.7,2159.9 2492.7,1995.6 R20.1@2492.3,1995.2
  Top Layer w30: v1(535,3225) 472.8,3225 C19.1@472.7,3224.9 ; R29.2@582.3,3095.2 582.3,3154.7 575,3162 493,3162 472.7,3182.3 C19.1@472.7,3224.9 ; U6.8@625,3335 570,3335 545,3360 472.5,3360 R25.1@472.3,3360.2 472.3,3225.3 C19.1@472.7,3224.9
  Top Layer w50: P11.2@2000,3745 2000,3805 2025,3830 2365,3830 2395,3800 2395,3512 v1(2181,3298) ; 2400,3670 P22.2@2485,3670 P23.2@2665,3670 P24.2@2845,3670 P25.2@3025,3670 P26.2@3205,3670 P27.2@3385,3670 3440,3670 3480,3630 3480,3410 3425,3355 3130,3355 3085,3310 R11.2@3085,3205 3085,3115 3110,3090 T5.1@3110,2895
  Bottom Layer w10: 855,2565 860,2560 ; 870,2550 860,2560 ; v1(1260,2460) 1260,2535 1235,2560 860,2560
  Bottom Layer w50: v1(465.1,1530.1) v1(465.1,1810.1) v1(465.1,2090.1) 465.1,2390.1 510,2435 760,2435 855,2530 855,2565 855,2945 ; v1(535,3225) 855,3225 ; P20.2@1065,3070 1065,2975 1035,2945 855,2945 ; 1585,3595 P7.3@1585,3645 ; P11.2@2000,3745 1915,3745 1900,3730 1900,3670 1875,3645 P7.7@1785,3645 1780.22,3640.22 1780.22,3598.5 1745.86,3564.14 1745,3565 955,3565 855,3465 855,3225 ; v1(2181,3298) 2181,3086.45 2190,3077.45 P9.2@2190,3075 ; 855,2945 855,3225
A0/WK_UP: R15.1 R19.1 U1.23 | length 522.4
  Top Layer w10: R19.1@612.3,1530.2 R15.1@612.3,1670 910,1670 U1.23@970,1610
A1: R32.1 U1.26 | length 5395.1
  Top Layer w10: v1(4166,3316) 4194.49,3344.49 4211.61,3361.61 4227.7,3377.7 R32.1@4285.2,3377.7
  Bottom Layer w10: U1.26@1070,1510 1070,1504 1120,1454 1120,1161.2 1143,1138.2 2816.2,1138.2 2890,1212 2890,1894 2929.75,1933.75 3059.75,1933.75 3178.5,2052.5 3178.5,2151.5 3165,2165 3165,2914 3303,3052 3453,3052 3647,3246 3942,3246 3985,3289 4139,3289 v1(4166,3316)
A2/TXD2: P2.4 P3.3 P4.1 U1.25 | length 3083.5
  Top Layer w10: P4.1@360,3835 360,3780 386.47,3753.53 638.2,3753.53 661.73,3730 P2.4@675,3730 738.5,3666.5 805.5,3666.5 890,3582 1083,3582 1137.64,3527.36 P3.3@1137.64,3459.21 ; U1.25@970,1510 977,1510 1021,1554 1021,1736 1046,1761 1090,1761 1121,1792 1121,2752 1116,2757 v1(1116,3123)
  Bottom Layer w10: v1(1116,3123) 1089.14,3149.86 1089.14,3416.14 1132.21,3459.21 P3.3@1137.64,3459.21
A3/RXD2: P2.3 P3.4 P4.2 U1.34 | length 3162.6
  Top Layer w10: P4.2@460,3835 515,3780 725,3780 P2.3@775,3730 905,3600 1095,3600 1188.09,3506.91 1188.09,3397.67 1149.64,3359.21 P3.4@1137.64,3359.21 ; U1.34@1170,1310 1170,1647 1147,1670 1147,2488 1219,2560 1219,2755 1215,2759 1215,3117 v1(1214,3118)
  Bottom Layer w10: P3.4@1137.64,3359.21 1136.82,3358.4 1136.82,3198.18 1214,3121 v1(1214,3118)
A4: P21.3 U1.33 | length 772.6
  Top Layer w10: P21.3@700,700 771,771 887,771 1170,1054 U1.33@1170,1210
A5: P21.4 U1.36 | length 841
  Top Layer w10: P21.4@800,700 849,749 906,749 1220,1063 1220,1265 1265,1310 U1.36@1270,1310
A6: P21.5 U1.35 | length 663.3
  Top Layer w10: P21.5@900,700 900,701 1270,1071 U1.35@1270,1210
A7: P21.6 U1.38 | length 763.3
  Top Layer w10: P21.6@1000,700 1000,765 1320,1085 1320,1260 U1.38@1370,1310
A8: U1.92
A9/TXD1: U1.84
A10/RXD1: U1.86
A11: U1.93 U7.4 | length 2820.2
  Top Layer w10: U7.4@716.26,2975 771,2975 817,3021 817,3171 902,3256 2202,3256 2363,3417 v1(2409,3417)
  Bottom Layer w10: v1(2409,3417) 2770,3056 U1.93@2770,2710
A12: U1.94 U7.1 | length 2819.3
  Top Layer w10: U7.1@716.26,2825 798,2825 814,2841 814,2987 843,3016 843,3158 917,3232 2213,3232 2337,3356 v1(2371,3356)
  Bottom Layer w10: v1(2371,3356) 2373.68,3353.32 2382.68,3353.32 2671,3065 2671,2711 U1.94@2670,2710
A13/SWDIO: U1.87
A14/SWCLK: U1.89
A15: U1.96
B0: U1.39
B1: U1.42
B2/BOOY1: U1.41
B3: U1.115
B4: U1.116
B5: U1.117
B6: R30.1 U1.118 U8.6 | length 571.8
  Top Layer w10: R30.1@1401.18,2355 1470,2355 1495,2380 U8.6@1551.03,2380 1609.14,2380 1625,2395.86 1625,2450 1605,2470 1515,2470 1470,2515 U1.118@1470,2610
B7: R31.1 U1.119 U8.5 | length 424.9
  Top Layer w10: U1.119@1370,2710 1420,2660 1420,2467.9 R31.1@1412.3,2460.2 1459.8,2460.2 1490,2430 U8.5@1551.03,2430
B8: P9.3 U1.121 | length 1208.7
  Top Layer w10: U1.121@1270,2710 1270,2717 1333,2780 1631,2780 1682,2831 1756,2831 1916,2991 2263,2991 2288,3016 2288,3073 P9.3@2290,3075
B9: P9.4 U1.122 | length 1354.8
  Top Layer w10: U1.122@1270,2610 1318,2658 1318,2730 1348,2760 1644,2760 1694,2810 1768,2810 1930,2972 2287,2972 P9.4@2390,3075
B10: P10.3 U1.59 | length 2734.7
  Top Layer w10: v1(1865,775) 1890,800 2355,800 2444,889 2444,1170.24 2470,1196.24 U1.59@2470,1210
  Bottom Layer w10: P10.3@155,890 293,752 1842,752 v1(1865,775)
B11: P10.4 U1.60 | length 2875.8
  Top Layer w10: v1(1863,812) 1863.86,812 1875.86,824 2344,824 2420,900 2420,1260 U1.60@2470,1310
  Bottom Layer w10: P10.4@155,990 222.5,922.5 222.5,855.5 303,775 1826,775 v1(1863,812)
B12: U1.61
B13: P11.5 U1.62 | length 2959
  Bottom Layer w10: P11.5@2200,3645 2200,3573 2323,3450 2426,3450 2820,3056 2820,1285 2794,1259 2621,1259 U1.62@2570,1310
B14: P11.7 U1.64 | length 2955.6
  Bottom Layer w10: P11.7@2300,3645 2300,3555 2352.5,3502.5 2442.5,3502.5 2868,3077 2868,1223 2804,1159 2725,1159 2674,1210 U1.64@2670,1210
B15: P11.6 U1.63 | length 2933.3
  Bottom Layer w10: P11.6@2200,3745 2214,3745 2249,3710 2249,3565 2337,3477 2438,3477 2845,3070 2845,1232 2821,1208 2772,1208 U1.63@2770,1210
BOOT0: U1.120
C0: U1.19
C1: R23.2 U1.22 | length 888.3
  Top Layer w10: R23.2@745,1118 745,1172 935,1362 1105,1362 1145,1402 1145,1635 U1.22@1070,1710
C2: U1.21
C3: R24.2 U1.24 | length 641.7
  Top Layer w10: R24.2@746.3,1287.2 825.2,1287.2 919,1381 919,1437 944,1462 1094,1462 1122,1490 1122,1571 1083,1610 U1.24@1070,1610
C4: P21.7 U1.37 | length 621.8
  Top Layer w10: P21.7@1100,700 1106,706 1106,839 1370,1103 U1.37@1370,1210
C5: P21.8 U1.40 | length 774
  Top Layer w10: P21.8@1200,700 1137,763 1137,837 1420,1120 1420,1260 U1.40@1470,1310
C6: R33.1 U1.79 | length 2450.2
  Top Layer w10: U1.79@2770,2010 3085,2010 v1(3151,2076) ; v1(4107,3316) 4107,3370.9 4112,3375.9 R33.1@4110.2,3377.7
  Bottom Layer w10: v1(3151,2076) 3153.68,2078.68 3153.68,2088.54 3154,2088.86 3154,2145 3145,2154 3145,2924 3292,3071 3440.86,3071 3636.86,3267 3934,3267 3983,3316 v1(4107,3316)
C7: R34.1 U1.82 | length 2391.2
  Top Layer w10: U1.82@2670,2110 2676,2110 2727,2059 2810,2059 2839,2030 3066,2030 3126,2090 v1(3126,2105.5) ; R34.1@3935.2,3377.7 3936,3376.9 v1(3936,3316)
  Bottom Layer w10: v1(3126,2105.5) 3126,2939 3276.5,3089.5 3429.5,3089.5 3627,3287 3907,3287 v1(3936,3316)
C8: R35.1 U1.81 | length 2125.4
  Top Layer w10: U1.81@2770,2110 2772,2112 2816,2112 2823.94,2104.06 2823.94,2074.06 2846,2052 3058,2052 3098,2092 v1(3098,2137) ; R35.1@3760.2,3377.7 3757.5,3375 3764,3368.5 v1(3764,3316)
  Bottom Layer w10: v1(3098,2137) 3098,2140.79 3104,2146.79 3104,2950 3263,3109 3416,3109 3619,3312 3751.14,3312 3752.46,3313.32 3761.32,3313.32 v1(3764,3316)
C9: R36.1 U1.91 | length 1346.6
  Top Layer w10: U1.91@2770,2610 3036,2610 3076,2650 v1(3076,2747) ; v1(3585,3320) R36.1@3585,3380
  Bottom Layer w10: v1(3076,2747) 3076,2953 3253,3130 3395,3130 v1(3585,3320)
C10: H1.10 P12.4 P14.1 U1.97 | length 2797.1
  Top Layer w10: H1.10@1627,364 1627,367 1678,418 1678,653.61 1650,681.61 P12.4@1650,690 1555,785 P14.1@1555,940 1555,1018 1722,1185 1722,1848 v1(1858,1984)
  Bottom Layer w10: v1(1858,1984) 2420,2546 2420,2652 2470,2702 U1.97@2470,2710
C11: H1.8 P12.3 P14.2 U1.98 | length 2712
  Top Layer w10: H1.8@1727,364 1776,413 1776,659.31 1750,685.31 P12.3@1750,690 1655,785 P14.2@1655,940 1655,1015 1820,1180 1820,1329 1750,1399 1750,1834 v1(1900,1984)
  Bottom Layer w10: v1(1900,1984) 2466.5,2550.5 2466.5,2606.5 U1.98@2470,2610
C12: U1.99
C13: U1.8
D0: U1.100
D1: U1.101
D2: U1.102
D3: U1.103
D4: U1.104
D5: U1.106
D6: U1.105
D7: U1.107 U6.2 U6.3 | length 2922.6
  Top Layer w10: U6.3@838,3435 U6.2@838,3385 914.21,3385 931.21,3402 v1(935,3402)
  Bottom Layer w10: v1(935,3402) 957.27,3424.27 957.27,3502.41 976.86,3522 2065,3522 2567,3020 2567,2841 2494,2768 2023,2768 1970,2715 U1.107@1970,2710
D8: U1.66
D9: U1.65
D10: U1.68
D11: U1.67
D12: R21.1 R22.1 U1.70 | length 430.6
  Top Layer w10: R21.1@2365,1640 2365,1517.5 2367.3,1515.2 2372.5,1510 U1.70@2670,1510
D13: U1.69
D14: U1.72
D15: U1.71
E0: U1.123
E1: U1.124
E2: U1.2
E3: R14.1 R18.1 U1.1 | length 580.7
  Top Layer w10: R18.1@612.3,2370 R14.1@612.3,2510.2 655.2,2510.2 746,2601 812,2601 921,2710 U1.1@970,2710
E4: R13.1 R17.1 U1.4 | length 941.6
  Top Layer w10: R17.1@612.3,2090.2 R13.1@612.3,2230 660,2230 680,2250 680,2498 763,2581 843,2581 922,2660 1020,2660 U1.4@1070,2610
E5: U1.3
E6: R12.1 R16.1 U1.6 | length 1161.5
  Top Layer w10: R16.1@612.3,1810.2 R12.1@612.3,1950.2 659.2,1950.2 670,1961 670,2207 707,2244 707,2494 773,2560 1020,2560 U1.6@1070,2510
E7: U1.50
E8: U1.51
E9: U1.52
E10: U1.53
E11: U1.54
E12: U1.55
E13: U1.56
E14: P10.8 U1.57 | length 3104.7
  Top Layer w10: v1(1866,848) 2337,848 2399,910 2399,1173.24 2370,1202.24 U1.57@2370,1210
  Bottom Layer w10: P10.8@155,1390 205,1340 205,974 246.5,932.5 246.5,862.5 313,796 1799,796 1849.41,846.41 1864.41,846.41 v1(1866,848)
E15: U1.58
ESP8266_RX: P3.1 P7.8 | length 851.8
  Top Layer w10: P3.1@1237.64,3459.21 1370.21,3459.21 1435,3524 1435,3771 1459,3795 1722,3795 1772,3745 P7.8@1785,3745
ESP8266_TX: P3.2 P7.1 | length 424.3
  Top Layer w10: P3.2@1237.64,3359.21 1238.21,3359.21 1318.11,3439.11 1379.11,3439.11 1459,3519 1459,3564 1485,3590 P7.1@1485,3645
F0: P20.3 U1.7 | length 1125.9
  Bottom Layer w10: U1.7@970,2410 1024,2464 1085,2464 1166,2383 1271,2383 1317,2429 1317,2914 1165,3066 P20.3@1165,3070
F1: P20.5 U1.10 | length 1126.6
  Bottom Layer w10: U1.10@1070,2310 1073,2313 1271,2313 1520,2562 1520,2744 1450,2814 1450,2876 1365,2961 P20.5@1365,3070
F2: P20.4 U1.9 | length 1163.2
  Bottom Layer w10: U1.9@970,2310 1021,2361 1283,2361 1419,2497 1419,2875 1265,3029 P20.4@1265,3070
F3: P20.7 U1.12 | length 1351.5
  Bottom Layer w10: U1.12@1070,2210 1074.5,2214.5 1116.5,2214.5 1171,2269 1297.06,2269 1562.06,2534 1608,2534 1634,2560 1687,2560 1722,2595 1722,2913 P20.7@1565,3070
F4: P20.6 U1.11 | length 1391.8
  Bottom Layer w10: U1.11@970,2210 984,2210 1033,2259 1129,2259 1160,2290 1286,2290 1550,2554 1585,2554 1619,2588 1619,2750 1594,2775 1525,2775 1486.5,2813.5 1486.5,2882.5 1465,2904 P20.6@1465,3070
F5: P20.8 U1.14 | length 1495.1
  Bottom Layer w10: U1.14@1070,2110 1071,2110 1208,2247 1304,2247 1570,2513 1618,2513 1645,2540 1703,2540 1722.89,2559.89 1794.89,2559.89 1819,2584 1819,2673 1818,2674 1818,2865 1665,3018 P20.8@1665,3070
F6: U1.13
F7: U1.16
F8: U1.15
F9: U1.18
F10: U1.17
F11: U1.44
F12: U1.43
F13: U1.46
F14: U1.45
F15: U1.48
G0: U1.47
G1: U1.49
G2: U1.73
G3: U1.74
G4: U1.75
G5: U1.76
G6: P11.8 U1.78 | length 2341.3
  Bottom Layer w10: P11.8@2300,3745 2247,3798 2171,3798 2148,3775 2148,3572 2326,3394 2386,3394 2720,3060 2720,1960 U1.78@2670,1910
G7: P11.4 U1.77 | length 2381.6
  Bottom Layer w10: P11.4@2100,3745 2052,3697 2052,3572 2592,3032 2592,2827 2519,2754 2519,2584 2538,2565 2538,2564.86 2543.86,2559 2580,2559 2597,2542 2597,2081 2597,2047 2619,2025 2619,1881 2641,1859 2719,1859 U1.77@2770,1910
G8: P11.3 U1.80 | length 1871.1
  Bottom Layer w10: P11.3@2100,3645 2103,3642 2103,3564 2621,3046 2621,2059 U1.80@2670,2010
G9: P27.1 U1.108 | length 2144.8
  Top Layer w10: U1.108@1970,2610 2020,2660 2020,2795 2057,2832 2540,2832 2643,2935 2643,3367 2754,3478 3045,3478 3064,3497 3205,3497 3274,3566 3381,3566 P27.1@3385,3570
G10: P25.1 U1.109 | length 1781.9
  Top Layer w10: U1.109@1870,2710 1880.14,2720.14 1880.14,2748.14 2010,2878 2527.02,2878 2603,2953.98 2603,3388 2736,3521 2976,3521 P25.1@3025,3570